# KiCad board NF-Grundplatte.kicad_pcb (continued)
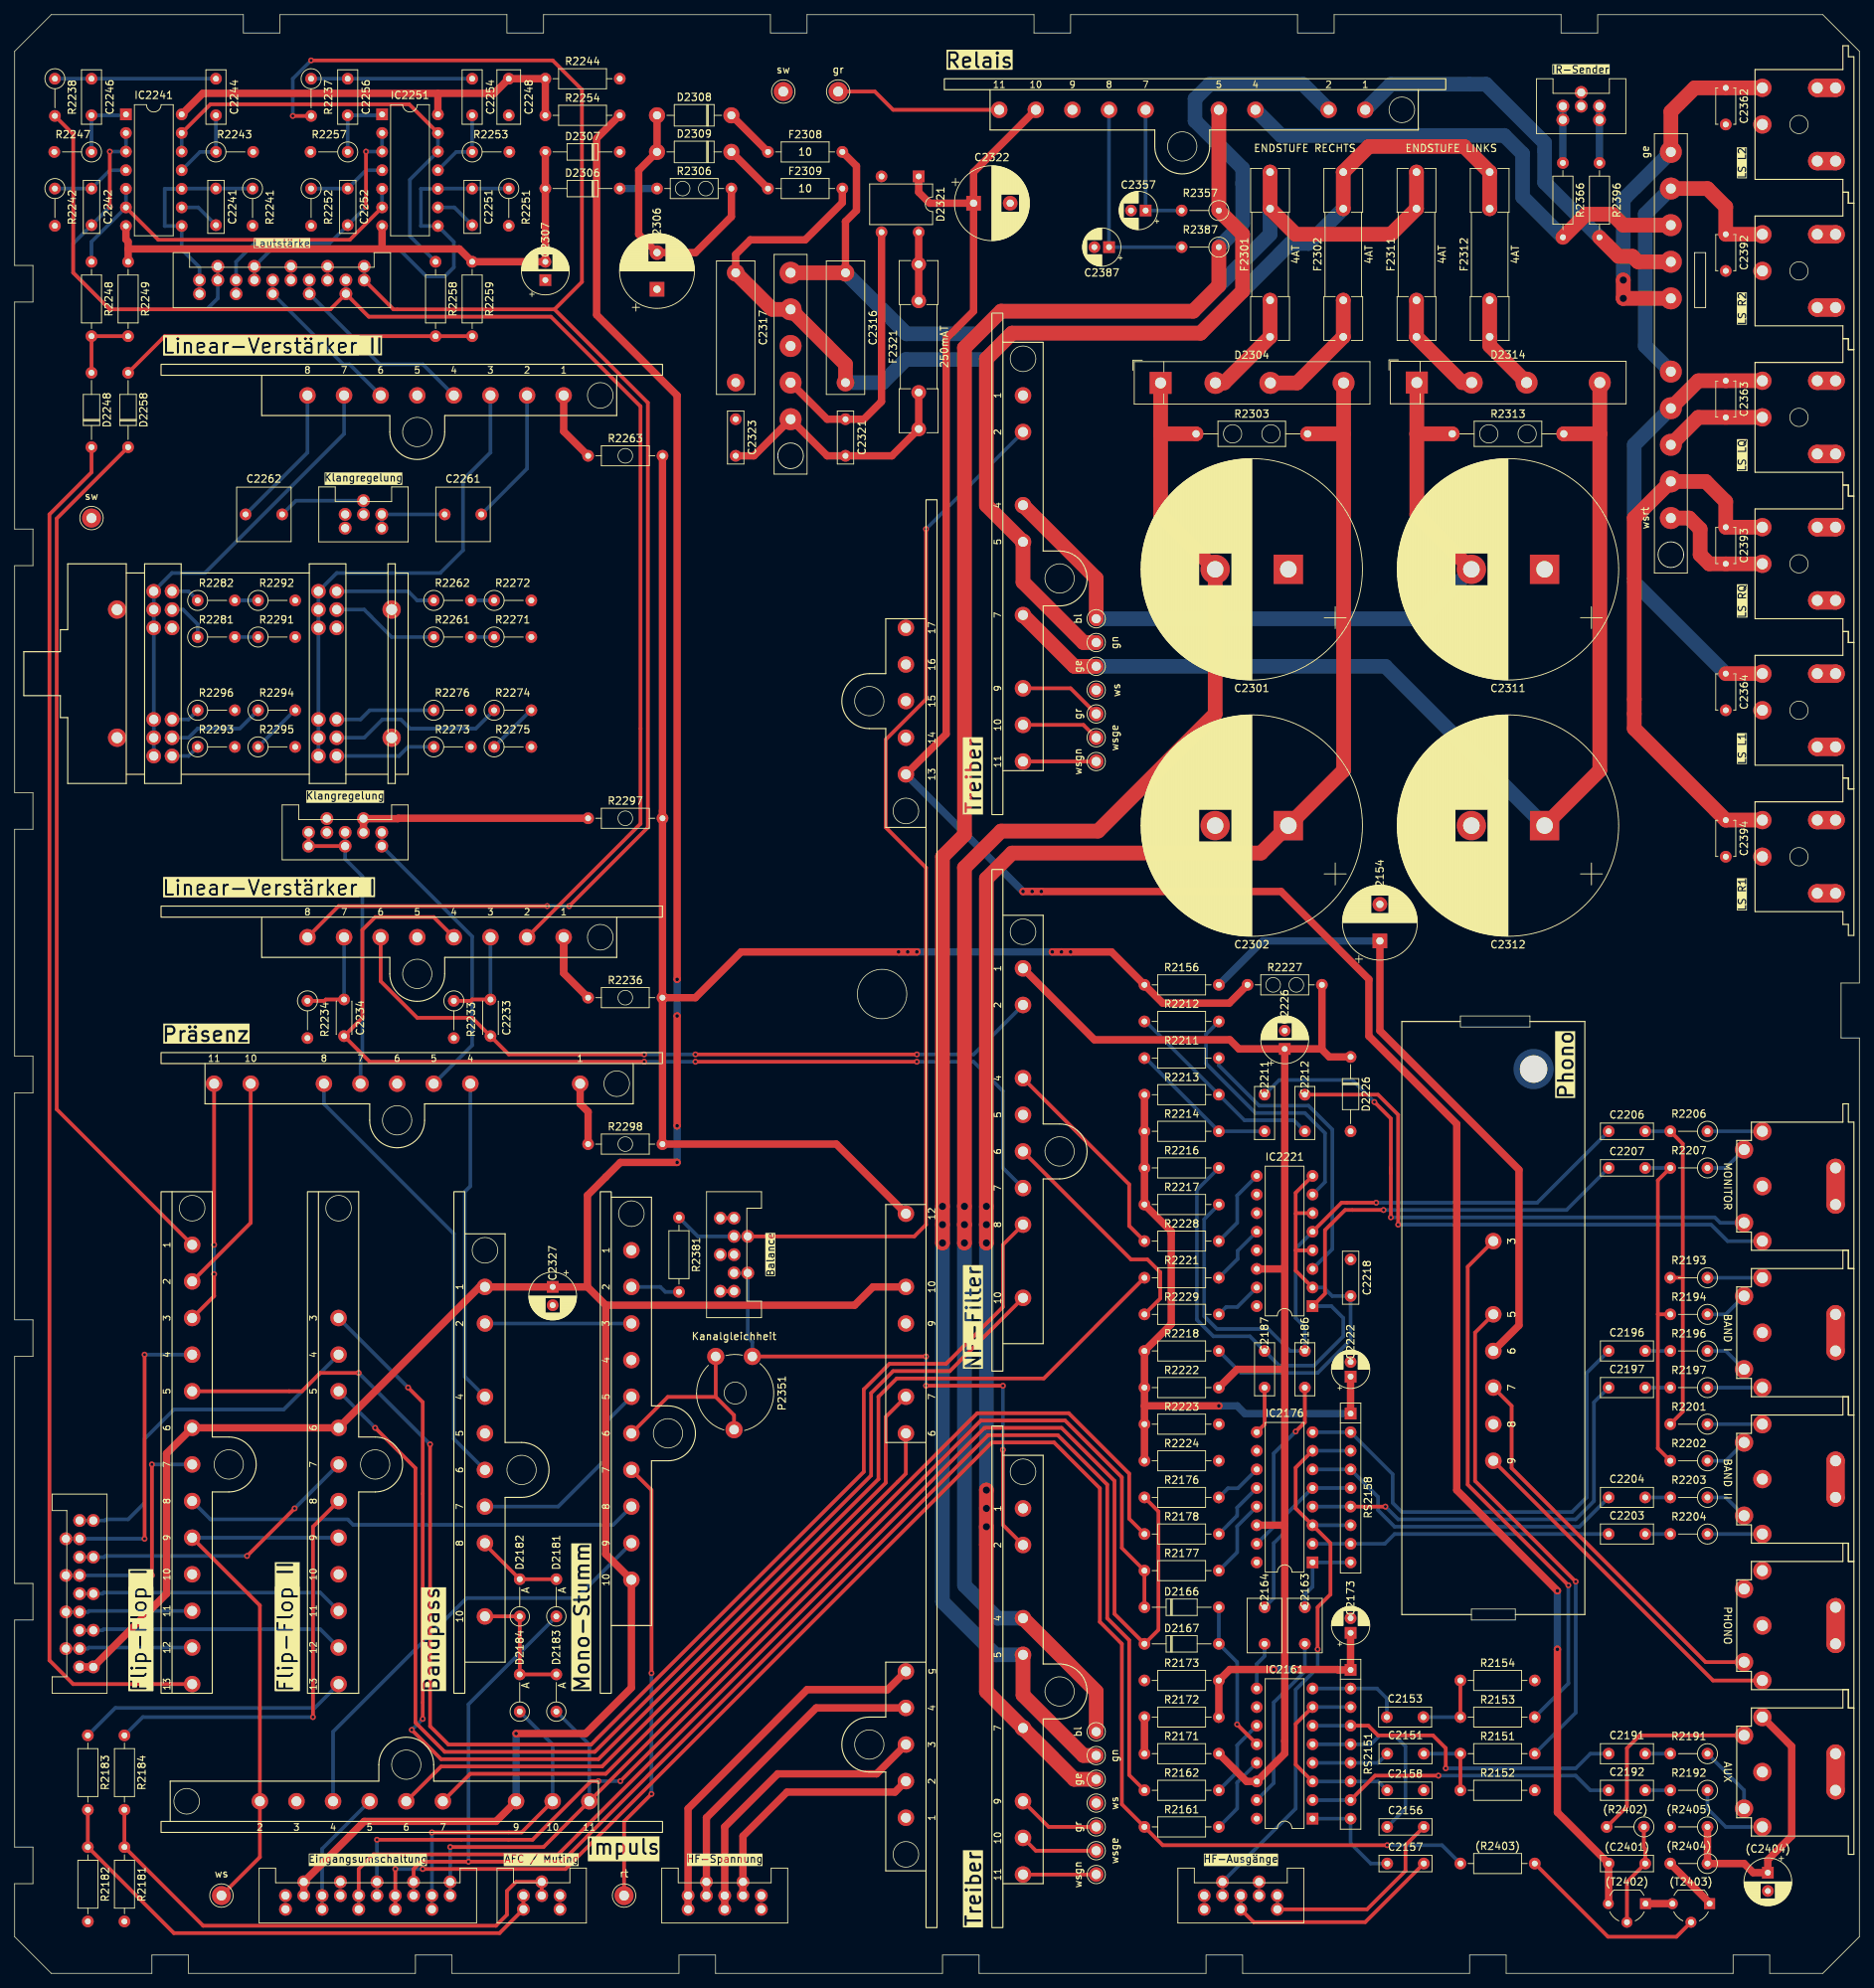
[diagram p0: board, top side]
## Placement (name value [footprint] x y rotation side) (continued)
R2313  22k  [R_Axial_DIN0309_L9.0mm_D3.2mm_P15.24mm_Horizontal]  211.62 210.25 180 top
R2357  22k  [R_Axial_DIN0207_L6.3mm_D2.5mm_P5.08mm_Vertical]  164.5 240.75 180 top
R2366  10k  [R_Axial_DIN0207_L6.3mm_D2.5mm_P10.16mm_Horizontal]  211.5 237.09 90 top
R2381  8.2k  [R_Axial_DIN0207_L6.3mm_D2.5mm_P10.16mm_Horizontal]  90.75 93.07 90 top
R2387  22k  [R_Axial_DIN0207_L6.3mm_D2.5mm_P5.08mm_Vertical]  164.5 235.75 180 top
R2396  10k  [R_Axial_DIN0207_L6.3mm_D2.5mm_P10.16mm_Horizontal]  216.5 237.09 90 top
R2402  10k  [R_Axial_DIN0207_L6.3mm_D2.5mm_P5.08mm_Vertical]  222.56 20 180 top
R2403  10k  [R_Axial_DIN0207_L6.3mm_D2.5mm_P10.16mm_Horizontal]  207.66 15 180 top
R2404  100  [R_Axial_DIN0207_L6.3mm_D2.5mm_P5.08mm_Vertical]  231.25 15 180 top
R2405  10k  [R_Axial_DIN0207_L6.3mm_D2.5mm_P5.08mm_Vertical]  231.25 20 180 top
RS2151  470k  [R_Array_SIP9]  182.5 41.44 270 top
RS2158  470k  [R_Array_SIP9]  182.5 76.44 270 top
ST16  HF-Grundplatte  [STOCKO-MKS-1655_1755]  172.5 10.62 180 top
SW1  ~  [SW_DIP_02_02_05]  6.25 191.25 0 top
T2402  BC557  [TO-92_Wide]  222.79 9.52 180 top
T2403  BC557  [TO-92_Wide]  231.54 9.52 180 top

## Library data of the parts
C2151 C2153 C2156-C2158 C2163 C2164 C2186 C2187 C2191 C2192 C2196 C2197 C2203 C2204 C2206 C2207 C2211 C2212 C2218 C2233 C2234 C2241 C2242 C2244 C2246 C2248 C2251 C2252 C2254 C2256 C2316 C2317 C2321 C2323 C2401 = -: Description: Unpolarized capacitor
C2154 C2173 C2222 C2226 C2261 C2262 C2301 C2302 C2306 C2307 C2311 C2312 C2322 C2327 C2357 C2387 C2404 = -: Description: Polarized capacitor
C2362-C2364 C2392-C2394 = -: Description: Unpolarized capacitor, small symbol
D2166 D2167 D2306 = -: Description: Diode; Sim.Device: D; Sim.Pins: 1=K 2=A; Field7: K
D2181-D2184 D2308 D2309 = -: Description: Diode; Sim.Device: D; Sim.Pins: 1=K 2=A
D2226 D2248 D2258 D2307 = -: Description: 500mW Zener Diode, DO-35; Field5: K
D2304 D2314 = -: Description: Silicon Bridge Rectifier, 80V Vrms, 3.3A If, pins=-AA+, SIL-package
D2321 = -: Description: Glass Passivated Single-Phase Bridge Rectifier, 125V Vrms, 0.8A If, DIP-4
F2301 F2302 F2308 F2309 F2311 F2312 F2321 = -: Description: Fuse
IC2241 IC2251 = -: Description: Quad Analog Switches
J9 J24 = -: Description: Generic connector, single row, 01x11, script generated (kicad-library-utils/schlib/autogen/connector/)
J13-J15 = -: Description: Generic connector, single row, 01x03, script generated (kicad-library-utils/schlib/autogen/connector/)
J16 J22 = -: Description: Generic connector, single row, 01x10, script generated (kicad-library-utils/schlib/autogen/connector/)
J17 J19 J20 J23 ST16 = -: Description: Generic connector, single row, 01x05, script generated (kicad-library-utils/schlib/autogen/connector/)
J18 J32-J49 = -: Description: Generic connector, single row, 01x01, script generated (kicad-library-utils/schlib/autogen/connector/)
J21 = -: Description: Generic connector, single row, 01x09, script generated (kicad-library-utils/schlib/autogen/connector/)
J31 = -: Description: Generic connector, single row, 01x17, script generated (kicad-library-utils/schlib/autogen/connector/)
LS1-LS6 = -: Description: Speaker
P2351 = -: Description: Potentiometer
R2151-R2154 R2156 R2161 R2162 R2171-R2173 R2176-R2178 R2181-R2184 R2191-R2194 R2196 R2197 R2201-R2204 R2206 R2207 R2211-R2214 R2216-R2218 R2221-R2224 R2227-R2229 R2233 R2234 R2236-R2238 R2241-R2244 R2247-R2249 R2251-R2254 R2257-R2259 R2261-R2263 R2271-R2276 R2281 R2282 R2291-R2298 R2303 R2306 R2313 R2357 R2366 R2381 R2387 R2396 R2402-R2405 = -: Description: Resistor
RS2151 RS2158 = -: Description: 8 resistor network, star topology, bussed resistors, small symbol
T2402 T2403 = -: Description: 0.1A Ic, 45V Vce, PNP Small Signal Transistor, TO-92

## Footprints (pads in the part's own frame, mm; a bottom-side part is the same pattern mirrored in y, then rotated)
Bandpass
  round 2.25 hole 1.35: 1(55.5,-4.25) 2(50.5,-4.25) 4(40.5,-4.25) 5(35.5,-4.25) 6(30.5,-4.25) 7(25.5,-4.25) 8(20.5,-4.25) 10(10.5,-4.25)
C_Disc_D4.3mm_W1.9mm_P5.00mm
  round 1.6 hole 0.8: 1(0,0) 2(5,0)
C_Disc_D4.7mm_W2.5mm_P5.00mm
  round 1.6 hole 0.8: 1(0,0) 2(5,0)
C_Rect_L7.0mm_W2.0mm_P5.00mm
  round 1.6 hole 0.8: 1(0,0) 2(5,0)
C_Rect_L7.0mm_W2.5mm_P5.00mm
  round 1.6 hole 0.8: 1(0,0) 2(5,0)
C_Rect_L7.2mm_W2.5mm_P5.00mm_FKS2_FKP2_MKS2_MKP2
  round 1.6 hole 0.8: 1(0,0) 2(5,0)
C_Rect_L7.2mm_W3.0mm_P5.00mm_FKS2_FKP2_MKS2_MKP2
  round 1.6 hole 0.8: 1(0,0) 2(5,0)
C_Rect_L7.2mm_W4.5mm_P5.00mm_FKS2_FKP2_MKS2_MKP2
  round 1.6 hole 0.8: 1(0,0) 2(5,0)
C_Rect_L7.2mm_W7.2mm_P5.00mm_FKS2_FKP2_MKS2_MKP2
  round 1.6 hole 0.8: 1(0,0) 2(5,0)
C_Rect_L18.0mm_W5.0mm_P15.00mm_FKS3_FKP3
  round 2.4 hole 1.2: 1(0,0) 2(15,0)
Conn_01x05_5mm
  round 3 hole 1.35: 1(0,0) 2(5,0) 3(10,0) 4(15,0) 5(20,0)
Conn_01x11_5mm
  round 3 hole 1.35: 1(0,0) 2(5,0) 3(10,0) 4(15,0) 5(20,0) 7(30,0) 8(35,0) 9(40,0) 10(45,0) 11(50,0)
CP_Radial_D5.0mm_P2.00mm
  rect 1.6x1.6 hole 0.8: 1(0,0)
  round 1.6 hole 0.8: 2(2,0)
CP_Radial_D6.3mm_P2.50mm
  rect 1.6x1.6 hole 0.8: 1(0,0)
  round 1.6 hole 0.8: 2(2.5,0)
CP_Radial_D10.0mm_P5.00mm
  rect 2x2 hole 1: 1(0,0)
  round 2 hole 1: 2(5,0)
CP_Radial_D30.0mm_P10.00mm_SnapIn
  rect 4x4 hole 2.25: 1(0,0)
  round 4 hole 2.25: 2(10,0)
D_DO-35_SOD27_P5.08mm_Vertical_AnodeUp
  round 1.6 hole 0.8: 1(0,0)
  oval 1.6x1.6 hole 0.8: 2(5.08,0)
D_DO-35_SOD27_P10.16mm_Horizontal
  round 1.6 hole 0.8: 1(0,0)
  oval 1.6x1.6 hole 0.8: 2(10.16,0)
D_DO-41_SOD81_P10.16mm_Horizontal
  round 2.2 hole 1.1: 1(0,0)
  oval 2.2x2.2 hole 1.1: 2(10.16,0)
Diode_Bridge_32.0x5.6x17.0mm_P10.0mm_P7.5mm
  rect 3x3 hole 1.5: 1(0,0)
  round 3 hole 1.5: 2(7.5,0) 3(15,0) 4(25,0)
Diode_Bridge_DIP-4_W7.62mm_P5.08mm
  rect 1.6x1.6 hole 0.8: 1(0,0)
  oval 1.6x1.6 hole 0.8: 2(0,-5.08) 3(7.62,-5.08) 4(7.62,0)
DIP-14_W7.62mm
  rect 1.6x1.6 hole 0.8: 1(0,0)
  oval 1.6x1.6 hole 0.8: 2(0,-2.54) 3(0,-5.08) 4(0,-7.62) 5(0,-10.16) 6(0,-12.7) 7(0,-15.24) 8(7.62,-15.24) 9(7.62,-12.7) 10(7.62,-10.16) 11(7.62,-7.62) 12(7.62,-5.08) 13(7.62,-2.54) 14(7.62,0)
DIP-16_W7.62mm
  rect 1.6x1.6 hole 0.8: 1(0,0)
  oval 1.6x1.6 hole 0.8: 2(0,-2.54) 3(0,-5.08) 4(0,-7.62) 5(0,-10.16) 6(0,-12.7) 7(0,-15.24) 8(0,-17.78) 9(7.62,-17.78) 10(7.62,-15.24) 11(7.62,-12.7) 12(7.62,-10.16) 13(7.62,-7.62) 14(7.62,-5.08) 15(7.62,-2.54) 16(7.62,0)
Flip-Flop
  round 2.25 hole 1.35: 1(61.25,-4.25) 2(56.25,-4.25) 3(51.25,-4.25) 4(46.25,-4.25) 5(41.25,-4.25) 6(36.25,-4.25) 7(31.25,-4.25) 8(26.25,-4.25) 9(21.25,-4.25) 10(16.25,-4.25) 11(11.25,-4.25) 12(6.25,-4.25) 13(1.25,-4.25)
Flip-Flop#2
  round 2.25 hole 1.35: 3(51.25,-4.25) 4(46.25,-4.25) 5(41.25,-4.25) 6(36.25,-4.25) 7(31.25,-4.25) 8(26.25,-4.25) 9(21.25,-4.25) 10(16.25,-4.25) 11(11.25,-4.25) 12(6.25,-4.25) 13(1.25,-4.25)
Fuseholder_Clip-5x20mm
  round 2 hole 1.05: 1(-1.25,0) 1(3.75,0) 2(16.25,0) 2(21.25,0)
Impuls
  round 2.25 hole 1.35: 2(55,-4.25) 3(50,-4.25) 4(45,-4.25) 5(40,-4.25) 6(35,-4.25) 7(30,-4.25) 9(20,-4.25) 10(15,-4.25) 11(10,-4.25)
Linear-Verstärker
  round 2.25 hole 1.35: 1(55,-4.25) 2(50,-4.25) 3(45,-4.25) 4(40,-4.25) 5(35,-4.25) 6(30,-4.25) 7(25,-4.25) 8(20,-4.25)
Mono-Stumm
  round 2.25 hole 1.35: 1(60.5,-4.25) 2(55.5,-4.25) 3(50.5,-4.25) 4(45.5,-4.25) 5(40.5,-4.25) 6(35.5,-4.25) 7(30.5,-4.25) 8(25.5,-4.25) 9(20.5,-4.25) 10(15.5,-4.25)
Netzteil
  round 2.25 hole 1.35: 1(180,-4.25) 2(175,-4.25) 3(170,-4.25) 4(165,-4.25) 5(160,-4.25) 6(127.5,-4.25) 7(122.5,-4.25) 9(112.5,-4.25) 10(107.5,-4.25) 12(97.5,-4.25) 13(37.5,-4.25) 14(32.5,-4.25) 15(27.5,-4.25) 16(22.5,-4.25) 17(17.5,-4.25)
NF-Filter
  round 2.25 hole 1.35: 1(55,-4.25) 2(50,-4.25) 4(40,-4.25) 5(35,-4.25) 6(30,-4.25) 7(25,-4.25) 8(20,-4.25) 10(10,-4.25)
Phono
  round 2.25 hole 1.35: 3(30,-12.5) 5(40,-12.5) 6(45,-12.5) 7(50,-12.5) 8(55,-12.5) 9(60,-12.5)
  round 5.5 hole 3.75: 16(6.5,-7)
Pin_D1.0mm_L10.0mm
  round 2 hole 1.25: 1(0,0)
Pin_D1.3mm_L11.0mm
  round 2.6 hole 1.35: 1(0,0)
Potentiometer_Piher_PT-10-V10_Vertical
  round 2.34 hole 1.3: 1(0,0) 2(10,2.5) 3(0,5)
Präsenz
  round 2.25 hole 1.35: 1(57.25,-4.25) 4(42.25,-4.25) 5(37.25,-4.25) 6(32.25,-4.25) 7(27.25,-4.25) 8(22.25,-4.25) 10(12.25,-4.25) 11(7.25,-4.25)
R_Array_SIP9
  rect 1.6x1.6 hole 0.8: 1(0,0)
  oval 1.6x1.6 hole 0.8: 2(2.54,0) 3(5.08,0) 4(7.62,0) 5(10.16,0) 6(12.7,0) 7(15.24,0) 8(17.78,0) 9(20.32,0)
R_Axial_DIN0207_L6.3mm_D2.5mm_P5.08mm_Vertical
  round 1.6 hole 0.8: 1(0,0)
  oval 1.6x1.6 hole 0.8: 2(5.08,0)
R_Axial_DIN0207_L6.3mm_D2.5mm_P10.16mm_Horizontal
  round 1.6 hole 0.8: 1(0,0)
  oval 1.6x1.6 hole 0.8: 2(10.16,0)
R_Axial_DIN0309_L9.0mm_D3.2mm_P15.24mm_Horizontal
  round 2 hole 1: 1(0,0) 2(15.24,0)
Relais
  round 2.25 hole 1.35: 1(57.5,-4.25) 2(52.5,-4.25) 4(42.5,-4.25) 5(37.5,-4.25) 7(27.5,-4.25) 8(22.5,-4.25) 9(17.5,-4.25) 10(12.5,-4.25) 11(7.5,-4.25)
Source_DIN-41524
  round 2.5 hole 1.5: 1(-2.5,0) 2(5,0) 3(12.5,0) 4(10,-2.5) 5(0,-2.5) 6(2.5,10) 6(7.5,10)
Speaker_DIN-41529_730311
  round 2.5 hole 1.5: 1(0,0) 2(5,0) 3(0,10) 3(0,7.5) 3(10,10) 3(10,7.5)
STOCKO-MKS-1653_1753
  round 1.75 hole 1.1: 1(0,1.875) 1(0,0) 2(2.5,0) 2(2.5,-1.875) 3(5,1.875) 3(5,0)
STOCKO-MKS-1655_1755
  round 1.75 hole 1.1: 1(0,1.875) 1(0,0) 2(2.5,0) 2(2.5,-1.875) 3(5,1.875) 3(5,0) 4(7.5,0) 4(7.5,-1.875) 5(10,1.875) 5(10,0)
STOCKO-MKS-1659_1759
  round 1.75 hole 1.1: 1(0,1.875) 1(0,0) 2(2.5,0) 2(2.5,-1.875) 3(5,1.875) 3(5,0) 4(7.5,0) 4(7.5,-1.875) 5(10,1.875) 5(10,0) 6(12.5,0) 6(12.5,-1.875) 7(15,1.875) 7(15,0) 8(17.5,0) 8(17.5,-1.875) 9(20,1.875) 9(20,0)
STOCKO-MKS-1660_1760
  round 1.75 hole 1.1: 1(0,0) 1(0,-1.875) 2(2.5,1.875) 2(2.5,0) 3(5,0) 3(5,-1.875) 4(7.5,1.875) 4(7.5,0) 5(10,0) 5(10,-1.875) 6(12.5,1.875) 6(12.5,0) 7(15,0) 7(15,-1.875) 8(17.5,1.875) 8(17.5,0) 9(20,0) 9(20,-1.875) 10(22.5,1.875) 10(22.5,0)
SW_DIP_02_02_05
  round 2.5 hole 1.5: (7.75,-5) (7.75,-22.5) (45.25,-5) (45.25,-22.5)
  round 2 hole 1.25: (15.25,-7.5) (37.75,-7.5) 1(35.25,-5) 1(35.25,-7.5) 2(35.25,-2.5) 3(35.25,-25) 4(35.25,-22.5) 5(35.25,-20) 6(37.75,-5) 7(37.75,-2.5) 8(37.75,-25) 9(37.75,-22.5) 10(37.75,-20) 11(12.75,-5) 11(12.75,-7.5) 12(12.75,-2.5) 13(12.75,-25) 14(12.75,-22.5) 15(12.75,-20) 16(15.25,-5) 17(15.25,-2.5) 18(15.25,-25) 19(15.25,-22.5) 20(15.25,-20)
TO-92_Wide
  rect 1.5x1.5 hole 0.8: 1(0,0)
  round 1.5 hole 0.8: 2(2.54,2.54) 3(5.08,0)
Treiber
  round 2.25 hole 1.35: 1(57.25,-4.25) 2(52.25,-4.25) 4(42.25,-4.25) 5(37.25,-4.25) 7(27.25,-4.25) 9(17.25,-4.25) 10(12.25,-4.25) 11(7.25,-4.25)

## Nets
+6V: C2248.1 IC2241.14 IC2251.14 R2244.1 R2254.2
+12V: C2327.1 J3.6 J9.9 J10.10 J11.1 J12.6 J16.9 J21.9 J31.10 R2254.1
+12V-AUX: C2404.1 J30.1 R2404.1 R2405.1
+12V-AUX-EN: J30.5 R2402.2
+12V-R: C2322.1 C2401.1 D2321.1 J6.10 J31.13 T2402.3
+15V: J17.3 J31.3
+15V-AM: J17.4 J31.4
+15V-FM: J17.5 J31.5
+22V: C2226.1 D2226.1 IC2161.14 IC2176.14 IC2221.14 J5.1 R2171.2 R2222.1 R2227.2
+42V-1: C2302.1 D2304.4 J4.7 J44.1 R2303.1
+42V-2: C2312.1 D2314.4 J2.7 J38.1 R2313.1
+45V: J31.12 R2156.1 R2227.1 R2236.1 R2263.1 R2297.1 R2298.1
+45V-I: J17.2 J31.2
-8.2V: C2307.2 D2306.2 D2307.2 IC2241.7 IC2251.7 R2249.1 R2259.1
-42V-1: C2301.2 D2304.1 J4.4 J46.1 R2303.2
-42V-2: C2311.2 D2314.1 J2.4 J39.1 R2313.2
GND: C2154.2 C2158.2 C2173.2 C2218.2 C2222.2 C2226.2 C2248.2 C2301.1 C2302.2 C2306.1 C2307.1 C2311.1 C2312.2 C2317.2 C2322.2 C2323.2 C2327.2 C2357.2 C2362.2 C2364.2 C2387.2 C2392.2 C2394.2 C2404.2 D2226.2 D2307.1 D2321.2 IC2161.16 IC2176.16 IC2221.16 J1.5 J2.1 J3.10 J4.1 J5.5 J6.9 J7.5 J8.6 J9.3 J10.1 J10.4 J11.5 J12.10 J13.3 J14.2 J15.1 J16.7 J16.10 J17.1 J19.3 J20.4 J22.3 J22.5 J23.3 J25.8 J25.16 J26.2 J27.2 J28.2 J29.2 J30.2 J31.1 J31.9 J31.14 J37.1 J45.1 J48.1 J49.1 LS1.2 LS2.2 LS5.2 LS6.2 R2152.2 R2154.2 R2173.2 R2181.2 R2182.2 R2223.2 R2224.2 R2233.2 R2234.2 R2241.2 R2242.2 R2243.2 R2244.2 R2247.2 R2251.2 R2252.2 R2253.2 R2257.2 R2271.2 R2272.2 R2273.2 R2275.2 R2276.2 R2291.2 R2292.2 R2293.2 R2295.2 R2296.2 R2405.2 ST16.2 ST16.5
AM: IC2176.3 IC2176.7 RS2158.3 RS2158.7 ST16.4
AUX-L: C2192.2 IC2161.2 RS2151.8
AUX-R: C2191.2 IC2161.6 RS2151.4
BAND1-L: C2197.2 IC2176.4 RS2158.6
BAND1-R: C2196.2 IC2176.8 RS2158.2
BAND2-L: C2203.2 IC2176.2 RS2158.8
BAND2-R: C2204.2 IC2176.6 RS2158.4
D-L: C2357.1 J6.7 R2357.2
D-R: C2387.1 J6.8 R2387.2
FF1-NQ1: J3.8 J10.8
FF1-NQ2: D2248.1 J3.13
FF1-NQ3: J3.2 J8.10
FF1-Q2: D2258.1 J3.1
FF1-Q3: J3.3 J8.11
FF1-Q4: J3.5 J5.8
FF2-NQ1: J12.8 R2184.1
FF2-NQ2: J12.13 R2183.1
FF2-Q3: J12.3 R2221.2
FF2-Q4: J5.10 J12.5
FM-L: C2157.1 IC2161.1 RS2151.9
FM-R: C2156.1 IC2161.5 RS2151.5
IC2161-NC: C2158.1 IC2161.3 IC2161.7 RS2151.3 RS2151.7
IC2161-O1: C2163.2 IC2176.1 RS2158.9
IC2161-O2: C2164.2 IC2176.5 RS2158.5
IMPULS: J9.5 J16.8
IN-L: J5.4 R2228.2
IN-R: J5.6 R2229.2
L-LEVEL: J1.7 SW1.11 SW1.12 SW1.13 SW1.14 SW1.15
LOUDNESS-SW1: IC2241.5 IC2241.6 IC2251.5 IC2251.6 R2248.1
LOUDNESS-SW2: IC2241.12 IC2241.13 IC2251.12 IC2251.13 R2258.1
LS-OUT-L: J2.5 J6.5 J33.1 R2357.1
LS-OUT-R: J4.5 J6.2 J43.1 R2387.1
LS-ST-1: C2393.2 J24.1 LS4.2
LS-ST-2: C2393.1 C2394.1 J24.2 LS4.1 LS6.1
LS-ST-3: C2363.2 J24.3 LS3.2
LS-ST-4: C2363.1 C2364.1 J24.4 LS3.1 LS5.1
LS-ST-8: J6.1 J24.8 R2396.1
LS-ST-9: J6.4 J24.9 R2366.1
LS-ST-10: C2392.1 J24.5 J24.10 LS2.1
LS-ST-11: C2362.1 J24.7 J24.11 LS1.1
LVI-L-OUT: J7.8 J22.1 R2237.2
LVI-R-OUT: J7.2 J22.2 R2238.2
LVII-L-IN: J1.6 J22.6
LVII-L-OUT: C2262.2 J1.8
LVII-R-IN: J1.4 J22.4
LVII-R-OUT: C2261.2 J1.2
MONITOR-L: IC2221.7 R2212.2
MONITOR-OUT-L: C2186.2 C2206.2 IC2221.5 R2217.2
MONITOR-OUT-R: C2187.2 C2207.2 IC2221.1 R2216.2
MONITOR-R: IC2221.3 R2211.2
MUTING: J9.4 J10.9
OUT-L: C2206.1 R2193.2 R2201.2 R2206.2
OUT-R: C2207.1 R2194.2 R2202.2 R2207.2
PHONO-L: C2151.1 IC2161.4 RS2151.6
PHONO-R: C2153.1 IC2161.8 RS2151.2
R-LEVEL: J1.3 SW1.1 SW1.2 SW1.3 SW1.4 SW1.5
SET: J3.9 J9.2 J12.9 J47.1
SW-AFC: J12.12 J21.7
SW-AM: D2183.1 J9.11 J16.1 R2178.2
SW-AUX: J16.4 R2161.2 R2403.2
SW-BAND1: D2166.1 J16.5 R2177.2
SW-BAND2: D2167.1 J16.6 R2176.2
SW-FM: D2184.1 J9.10 J16.2
SW-LOUDNESS: J3.12 J21.8
SW-MONITOR: J12.4 J21.1
SW-MONO: J3.11 J21.6
SW-MUTING: J12.11 J21.5
SW-NOISE: J12.7 J21.3
SW-PHONO: D2181.1 J16.3 R2162.2
SW-PRESENCE: J3.4 J21.2
SW-PWR-AM: J9.7 J31.6
SW-PWR-FM: J9.6 J31.7
SW-RUMBLE: J3.7 J21.4
TREIBER-L-IN: J2.2 J19.4 R2381.2
TREIBER-R-IN: J4.2 J19.2 P2351.3
VOLUME-L1: C2251.2 IC2251.8 IC2251.10 J22.7 R2251.1
VOLUME-L2: C2252.1 IC2251.2 IC2251.3 J22.8
VOLUME-R1: C2241.2 IC2241.8 IC2241.10 J22.10 R2241.1
VOLUME-R2: C2242.1 IC2241.2 IC2241.3 J22.9
~10V-1: C2321.2 D2321.3 J23.2
~10V-2: C2321.1 C2323.1 F2321.2 J23.1
~30V-1: C2316.2 F2301.1 F2308.1 F2311.1 J23.5
~30V-2: C2316.1 C2317.1 F2302.2 F2309.1 F2312.2 J23.4
Net-(C2151-Pad2): C2151.2 R2151.2 R2152.1
Net-(C2153-Pad2): C2153.2 R2153.2 R2154.1
Net-(C2191-Pad1): C2191.1 R2191.2
Net-(C2192-Pad1): C2192.1 R2192.2
Net-(C2196-Pad1): C2196.1 R2196.2
Net-(C2197-Pad1): C2197.1 R2197.2
Net-(C2203-Pad1): C2203.1 R2204.2
Net-(C2204-Pad1): C2204.1 R2203.2
Net-(C2211-Pad1): C2211.1 J26.4
Net-(C2211-Pad2): C2211.2 R2211.1 R2214.2
Net-(C2212-Pad1): C2212.1 J26.3
Net-(C2212-Pad2): C2212.2 R2212.1 R2213.2
Net-(C2241-Pad1): C2241.1 IC2241.9
Net-(C2242-Pad2): C2242.2 IC2241.4 R2242.1
Net-(C2244-Pad1): C2244.1 C2246.1 R2238.1
Net-(C2244-Pad2): C2244.2 IC2241.11 R2243.1
Net-(C2246-Pad2): C2246.2 IC2241.1 R2247.1
Net-(C2251-Pad1): C2251.1 IC2251.9
Net-(C2252-Pad2): C2252.2 IC2251.4 R2252.1
Net-(C2254-Pad1): C2254.1 C2256.1 R2237.1
Net-(C2254-Pad2): C2254.2 IC2251.11 R2253.1
Net-(C2256-Pad2): C2256.2 IC2251.1 R2257.1
Net-(D2166-A): D2166.2 D2167.2 IC2161.12
Net-(D2181-A): D2181.2 D2182.2 J11.8
Net-(D2182-K): D2182.1 D2183.2 D2184.2 J11.10
Net-(D2248-A): D2248.2 R2248.2 R2249.2
Net-(D2258-A): D2258.2 R2258.2 R2259.2
Net-(D2304-Pad2): D2304.2 F2301.2
Net-(D2304-Pad3): D2304.3 F2302.1
Net-(D2306-K): D2306.1 R2306.2
Net-(D2308-A): C2306.2 D2308.2 D2309.2 R2306.1
Net-(D2308-K): D2308.1 F2308.2
Net-(D2309-K): D2309.1 F2309.2
Net-(D2314-Pad2): D2314.2 F2311.2
Net-(D2314-Pad3): D2314.3 F2312.1
Net-(D2321-Pad4): D2321.4 F2321.1
Net-(IC2161-O-1): C2163.1 IC2161.15
Net-(IC2161-O-2): C2164.1 IC2161.9
Net-(IC2161-S2): IC2161.13 R2161.1
Net-(IC2161-S4): IC2161.11 R2162.1
Net-(IC2176-O-1): C2186.1 IC2176.15
Net-(IC2176-O-2): C2187.1 IC2176.9
Net-(IC2176-S2): IC2176.13 R2177.1
Net-(IC2176-S3): IC2176.12 R2178.1
Net-(IC2176-S4): IC2176.11 R2176.1
Net-(IC2221-I-2): C2218.1 IC2221.2 IC2221.4 IC2221.6 IC2221.8 R2218.2
Net-(IC2221-O-1): IC2221.15 R2229.1
Net-(IC2221-O-2): IC2221.9 R2228.1
Net-(IC2221-S3): IC2221.12 R2221.1
Net-(J1-+35V-Pad1): J1.1 R2263.2
Net-(J5-L-OUT): C2233.1 J5.2 J7.6
Net-(J7-+35V-Pad1): J7.1 R2236.2
Net-(J7-L-LEVEL): C2234.2 J7.7 R2234.1
Net-(J7-R-IN): C2234.1 J5.7 J7.4
Net-(J7-R-LEVEL): C2233.2 J7.3 R2233.1
Net-(J8-+23V-Pad1): J8.1 R2298.2
Net-(J10-L-IN): J10.3 J11.2
Net-(J10-L-OUT): J10.6 P2351.1 P2351.2
Net-(J10-R-IN): J10.5 J11.7
Net-(J10-R-OUT): J10.2 R2381.1
Net-(J11-L-IN): J8.4 J11.4
Net-(J11-R-IN): J8.8 J11.6
Net-(J13-Pin_1): C2261.1 J13.1
Net-(J13-Pin_2): C2262.1 J13.2
Net-(J14-Pin_1): J14.1 R2396.2
Net-(J14-Pin_3): J14.3 R2366.2
Net-(J15-Pin_2): J15.2 R2181.1 R2184.2
Net-(J15-Pin_3): J15.3 R2182.1 R2183.2
Net-(J18-Pin_1): J6.11 J18.1
Net-(J20-Pin_1): J8.5 J20.1
Net-(J20-Pin_2): J20.2 R2297.2
Net-(J20-Pin_3): J8.7 J20.3 J20.5
Net-(J25-IN-L): J25.9 J29.3
Net-(J25-IN-R): J25.7 J29.4
Net-(J25-OUT-L): J25.5 R2151.1
Net-(J25-OUT-R): J25.3 R2153.1
Net-(J25-VCC): C2154.1 J25.6 R2156.2
Net-(J26-Pad1): J26.1 R2206.1
Net-(J26-Pad5): J26.5 R2207.1
Net-(J27-Pad1): J27.1 R2193.1
Net-(J27-Pad3): J27.3 R2197.1
Net-(J27-Pad4): J27.4 R2196.1
Net-(J27-Pad5): J27.5 R2194.1
Net-(J28-Pad1): J28.1 R2201.1
Net-(J28-Pad3): J28.3 R2204.1
Net-(J28-Pad4): J28.4 R2203.1
Net-(J28-Pad5): J28.5 R2202.1
Net-(J30-Pad3): J30.3 R2192.1
Net-(J30-Pad4): J30.4 R2191.1
Net-(J32-Pin_1): J10.7 J32.1
Net-(J34-Pin_1): J2.11 J34.1
Net-(J35-Pin_1): J2.9 J35.1
Net-(J36-Pin_1): J2.10 J36.1
Net-(J40-Pin_1): J4.11 J40.1
Net-(J41-Pin_1): J4.9 J41.1
Net-(J42-Pin_1): J4.10 J42.1
Net-(R2171-Pad1): R2171.1 R2172.1
Net-(R2261-Pad1): R2261.1 SW1.6
Net-(R2261-Pad2): R2261.2 R2271.1
Net-(R2262-Pad1): R2262.1 SW1.7
Net-(R2262-Pad2): R2262.2 R2272.1
Net-(R2273-Pad1): R2273.1 SW1.8
Net-(R2274-Pad1): R2274.1 SW1.9
Net-(R2274-Pad2): R2274.2 R2275.1
Net-(R2276-Pad1): R2276.1 SW1.10
Net-(R2281-Pad1): R2281.1 SW1.16
Net-(R2281-Pad2): R2281.2 R2291.1
Net-(R2282-Pad1): R2282.1 SW1.17
Net-(R2282-Pad2): R2282.2 R2292.1
Net-(R2293-Pad1): R2293.1 SW1.18
Net-(R2294-Pad1): R2294.1 SW1.19
Net-(R2294-Pad2): R2294.2 R2295.1
Net-(R2296-Pad1): R2296.1 SW1.20
Net-(RS2151-common): C2173.1 R2172.2 R2173.1 RS2151.1
Net-(RS2158-common): C2222.1 R2213.1 R2214.1 R2216.1 R2217.1 R2218.1 R2222.2 R2223.1 R2224.1 RS2158.1
Net-(ST16-Pin_1): C2156.2 ST16.1
Net-(ST16-Pin_3): C2157.2 ST16.3
Net-(T2402-B): C2401.2 R2402.1 T2402.2
Net-(T2402-C): T2402.1 T2403.3
Net-(T2403-B): R2403.1 T2403.2
Net-(T2403-C): R2404.2 T2403.1

Pads without a net: IC2161 10; IC2176 10; IC2221 10 11 13; J19 1 5; J26 6; J27 6; J28 6; J29 1 5 6; J30 6; J31 15 16 17; LS1 3; LS2 3; LS3 3; LS4 3; LS5 3; LS6 3

## Via types
v1: diameter 0.8, hole 0.4, Top to Bottom, 58 vias
v2: diameter 2, hole 1, Top to Bottom, 14 vias
v3: diameter 1, hole 0.5, Top to Bottom, 19 vias

## Routing (per net, layer and track width the routed paths; a pad name or vN(x,y) marks a point on that pad's centre or on a via; arc(x,y) is an arc through that point)
+6V: length 59.6
  Top w1: 57.82,256.75 65.5,256.75 C2248.1 R2244.1 R2254.2 ; 57.82,256.75 25.7,256.75 IC2241.14 ; 57.82,256.75 IC2251.14
+12V: length 439.9
  Top w1: 78.25,93.75 78.25,106.25 82.75,110.75 v3(90.5,110.75) ; 78.25,93.75 80.75,91.25 ; 78.25,93.75 C2327.1 J11.1 63.5,93.75 J12.6 J3.6 20.75,71 20.75,51.85 J21.9 J21.9 ; J9.9 65.75,20.75 47.75,20.75 J16.9 J16.9 ; 80.75,91.25 80.75,57.25 J10.10 84.25,39 78,32.75 v3(68.5,32.75) ; 80.75,91.25 114.75,91.25 117.25,93.75 J31.10 ; v3(90.5,130.75) v3(90.5,115.75) ; R2254.1 79.5,250.59 79.5,226.5 90.5,215.5 v3(90.5,135.75)
  Bottom w1: v3(90.5,135.75) v3(90.5,130.75) ; J9.9 v3(68.5,32.75) ; v3(90.5,115.75) v3(90.5,110.75)
+12V-AUX: length 38
  Top w1: R2405.1 R2404.1 236.25,15 237.5,13.75 C2404.1 239.5,15.5 242.75,18.75 242.75,31 J30.1
+12V-AUX-EN: length 28.6
  Top w0.5: J30.5 222,32.5 220.25,30.75 220.25,22.76 R2402.2
+12V-R: length 325.5
  Top w1: C2322.1 125,241.75 123.5,243.25 D2321.1 ; C2322.1 131,227 127.25,223.25 127.25,169.25 J31.13 ; C2322.1 131,246 J6.10 ; v3(210.75,52.25) 197,66 197,116 185,128 185,135.75 173,147.75 v3(137.75,147.75) ; v3(210.75,44.25) 210.75,22 C2401.1 217.75,9.56 T2402.3
  Bottom w1: J31.13 v3(137.75,147.75) v3(140.25,147.75) ; v3(210.75,52.25) v3(210.75,44.25)
  vias: v3(139,147.75)
+15V: length 40.7
  Top w1: J31.3 117.75,27.25 104.25,27.25 97,20 J17.3 J17.3
+15V-AM: length 44.1
  Top w1: J17.4 J17.4 94.5,21.25 109.5,36.25 J31.4
+15V-FM: length 51.3
  Top w1: J17.5 J17.5 92,22.5 108.25,38.75 119.25,38.75 J31.5
+22V: length 184.6
  Top w1: R2171.2 168.29,26.21 IC2161.14 173.5,30.03 173.5,61.25 ; IC2221.14 173.46,96.21 173.5,96.25 ; 173.5,61.25 173.5,82.5 ; 173.5,61.25 173.46,61.21 IC2176.14 ; 173.5,82.5 167,82.5 R2222.1 ; 173.5,82.5 173.5,96.25 ; 178.5,126.25 178.58,126.33 R2227.2 ; 178.5,126.25 C2226.1 ; 178.5,126.25 179.59,125.16 D2226.1 ; 173.5,96.25 C2226.1 ; J5.1 147.5,127.5 166,127.5 167.25,126.25 C2226.1
+42V-1: length 256.2
  Top w2: 132.75,58.5 132.75,38.5 J4.7 144.75,26.5 J44.1 ; 132.75,58.5 v2(132.75,61) ; 132.75,58.5 v2(132.75,66) ; 181.54,210.25 181.54,164.29 C2302.1 170.25,153 136.25,153 132.75,149.5 v2(132.75,102.25) v2(132.75,99.75) ; 181.54,210.25 R2303.1 ; 181.54,210.25 D2304.4
  Bottom w2: v2(132.75,61) v2(132.75,104.75)
  vias: v2(132.75,63.5)
+42V-2: length 151.7
  Top w2: D2314.4 216.54,210.25 ; 216.54,210.25 216.54,164.29 C2312.1 ; 216.54,210.25 R2313.1 ; J2.7 144.75,178.5 J38.1
  Bottom w2: C2312.1 187.25,178.5 J38.1
+45V: length 222.6
  Top w1: R2227.1 165.92,132.5 156.84,132.5 R2156.1 149.84,139.5 v3(141.75,139.5) ; R2263.1 R2298.1 112.25,113.25 J31.12 ; v3(123.25,139.5) 99.25,139.5 93,133.25 R2236.1
  Bottom w1: v3(144.25,139.5) v3(120.75,139.5)
  vias: v3(122,139.5) v3(143,139.5)
+45V-I: length 33.5
  Top w1: J31.2 120.25,24.75 105.5,24.75 99.5,18.75 J17.2 J17.2
-8.2V: length 80.9
  Top w1: IC2241.7 15.2,236.8 15.5,236.5 15.5,235.5 ; 50.25,235.5 60.75,235.5 R2259.1 C2307.2 D2306.2 D2307.2 ; 50.25,235.5 50.2,235.55 IC2251.7 ; 50.25,235.5 15.5,235.5 ; 15.5,235.5 R2249.1
-42V-1: length 228.6
  Top w2: J4.4 147.75,38.5 J46.1 ; D2304.1 156.54,210.25 ; 156.54,210.25 R2303.2 ; 156.54,210.25 156.54,199.21 C2301.2 164,172 148,156 134.75,156 129.75,151 v2(129.75,102.25) v2(129.75,99.75)
  Bottom w2: v2(129.75,104.75) 129.75,53 134.25,48.5 J4.4
-42V-2: length 107.1
  Top w2: J39.1 147.75,190.5 J2.4 ; C2311.2 191.54,199.21 191.54,210.25 ; D2314.1 191.54,210.25 ; 191.54,210.25 R2313.2
  Bottom w2: J39.1 192.25,185 C2311.2
AM: length 80.3
  Top w0.5: IC2176.7 175,69.06 175,63.5 IC2176.3 179.75,58.75 179.75,51.75 178,50 v1(178,44.25)
  Bottom w0.5: 177.21,61.21 IC2176.3 182.5,61.21 ; ST16.4 ST16.4 175,22.5 175,38.75 178,41.75 v1(178,44.25) ; IC2176.7 182.5,71.37
AUX-L: length 42.7
  Top w0.5: v1(194.5,27) 185.84,27 182.5,23.67
  Bottom w0.5: C2192.2 215.25,25 213.25,27 v1(194.5,27) ; IC2161.2 182.5,23.67
AUX-R: length 45.3
  Top w0.5: v1(195.5,28) 195.5,30.75 193.75,32.5 186.25,32.5 184.93,33.82 RS2151.4
  Bottom w0.5: v1(195.5,28) 213.25,28 215.25,30 C2191.2 ; IC2161.6 RS2151.4
BAND1-L: length 56.5
  Top w0.5: RS2158.6 v1(187.25,63.75)
  Bottom w0.5: 187.25,63.75 v1(187.25,63.75) 189,62 213.25,62 215.75,64.5 215.75,78 C2197.2 ; IC2176.4 RS2158.6
BAND1-R: length 66.3
  Bottom w0.5: IC2176.8 RS2158.2 188.25,68.16 188.25,64.25 189.5,63 212.75,63 214.75,65 214.75,82 C2196.2
BAND2-L: length 41
  Bottom w0.5: C2203.2 188.5,60 187.16,58.66 RS2158.8 IC2176.2
BAND2-R: length 46.4
  Bottom w0.5: C2204.2 213.75,61 188.5,61 186.25,63.25 186.25,65.07 RS2158.4 IC2176.6
D-L: length 18.7
  Bottom w0.5: R2357.2 C2357.1 J6.7
D-R: length 28.7
  Bottom w0.5: R2387.2 C2387.1 J6.8
FF1-NQ1: length 62.4
  Bottom w0.5: J3.8 26.75,62 45.5,62 46.25,61.25 81.75,61.25 J10.8
FF1-NQ2: length 188.9
  Top w0.5: D2248.1 10.5,205 4.75,199.25 4.75,42.75 8,39.5 J3.13
FF1-NQ3: length 30.3
  Top w0.5: J3.2 32.25,102.5 J8.10
FF1-Q2: length 120.6
  Top w0.5: J3.1 5.75,118 5.75,198.68 D2258.1
FF1-Q3: length 33.2
  Top w0.5: v1(27.25,95.5) 27.25,92.5 J3.3 ; v1(27.25,99.5) J8.11
  Bottom w0.5: v1(27.25,99.5) v1(27.25,95.5)
FF1-Q4: length 199.6
  Top w0.25: 24.25,79.75 23.75,79.75
  Top w0.5: v1(47,82) 41.75,82 39.25,79.5 J3.5 ; J5.8 135,99.5 135,91 127.25,83.25 119.5,83.25 116,79.75 116,68.5 78.75,31.25 59.25,31.25 56.75,33.75 v1(56.75,72.25)
  Bottom w0.5: v1(47,82) v1(56.75,72.25)
FF2-NQ1: length 57.7
  Top w0.5: v1(40.75,35) 40.75,61 J12.8
  Bottom w0.5: R2184.1 17.5,35 v1(40.75,35)
FF2-NQ2: length 37.1
  Bottom w0.5: J12.13 41,36.25 13.75,36.25 R2183.1
FF2-Q3: length 197.2
  Top w0.5: v1(55.75,34.75) 55.75,78 v1(53.75,80) ; v1(54.25,33.25) 58.25,29.25 79.75,29.25 118,67.5 118,78.75 120.5,81.25 140.59,81.25 R2221.2
  Bottom w0.5: J12.3 v1(53.75,80) ; v1(55.75,34.75) v1(54.25,33.25)
FF2-Q4: length 166.5
  Top w0.5: J5.10 127.75,82.25 120,82.25 117,79.25 117,68 79.25,30.25 58.75,30.25 54.75,34.25 54.75,69 v1(49.25,74.5)
  Bottom w0.5: J12.5 v1(49.25,74.5)
FM-L: length 14.7
  Bottom w0.5: IC2161.1 RS2151.9 182.5,17.75 185.25,15 C2157.1
FM-R: length 25.9
  Bottom w0.5: IC2161.5 RS2151.5 185.28,31.28 186.5,32.5 188.5,32.5 190,31 190,22.5 C2156.1
IC2161-NC: length 28
  Top w0.5: IC2161.7 175,34.06 175,28.5 IC2161.3
  Bottom w0.5: IC2161.7 182.5,36.37 ; IC2161.3 186.29,26.21 C2158.1
IC2161-O1: length 11.8
  Bottom w0.5: C2163.2 176.25,51.75 177.3,52.8 IC2176.1 RS2158.9
IC2161-O2: length 24.2
  Bottom w0.5: C2164.2 172,51.25 172,58.75 173.5,60.25 173.5,62.49 IC2176.5 RS2158.5
IMPULS: length 17.4
  Bottom w0.5: J16.8 J16.8 42,17 J9.5
IN-L: length 29.1
  Top w0.5: J5.4 152.25,107.75 152.25,102.09 R2228.2
IN-R: length 32.2
  Top w0.5: J5.6 152.5,97.5 154.75,97.5 156.5,95.75 156.5,92.16 R2229.2
L-LEVEL: length 62.7
  Bottom w0.5: SW1.13 SW1.12 21.5,191.25 26,191.25 45,210.25 J1.7
LOUDNESS-SW1: length 53.1
  Top w0.5: IC2251.6 45.77,236.75 19.62,236.75 IC2241.6
  Bottom w0.5: IC2251.5 IC2251.6 ; R2248.1 10.5,236.47 IC2241.6 IC2241.5
LOUDNESS-SW2: length 61.4
  Top w0.5: IC2251.13 53.91,255.25 26.73,255.25 IC2241.13
  Bottom w0.5: IC2251.13 IC2251.12 54,244.97 54,237.25 R2258.1 ; IC2241.13 IC2241.12
LS-OUT-L: length 110.9
  Top w2: J33.1 146,181.75 137.75,190 J2.5 132.75,200.5 132.75,220.5 136.25,224 162,224 167.75,229.75 167.75,237.5 R2357.1 J6.5
LS-OUT-R: length 298.8
  Top w2: J4.5 137.75,38 146,29.75 J43.1 ; R2387.1 164.5,230.5 161,227 134.75,227 129.75,222 129.75,155.5 126.75,152.5 v2(126.75,99.75)
  Bottom w2: J4.5 134,43.5 126.75,50.75 v2(126.75,104.75) ; J6.2 176,258 163.25,258 161.25,256 161.25,253 167.75,246.5 167.75,239 R2387.1
  vias: v2(126.75,102.25)
LS-ST-1: length 17.1
  Top w2: LS4.2 C2393.2 231.5,192.5 230.25,193.75 230.25,197.25 228.75,198.75 J24.1
LS-ST-2: length 75.6
  Top w2: LS6.1 C2394.1 221.25,170 221.25,198.75 J24.2 231,203.75 233.75,201 C2393.1 LS4.1
LS-ST-3: length 14.1
  Top w2: LS3.2 C2363.2 230,212.5 J24.3
LS-ST-4: length 62.6
  Top w2: C2364.1 LS5.1 ; J24.4 230,217.5 C2363.1 LS3.1
  Bottom w2: J24.4 221.25,208.75 221.25,190 C2364.1
LS-ST-8: length 56.4
  Top w2: J24.8 221.75,233.75 221,234.5 219.09,234.5 R2396.1
  Bottom w2: R2396.1 209,244.59 209,250 201,258 188,258 J6.1
LS-ST-9: length 69.4
  Top w2: J24.9 219.75,238.75 218.25,240.25 214.66,240.25 R2366.1
  Bottom w2: J6.4 173,251 203.5,251 206,248.5 206,242.59 R2366.1
LS-ST-10: length 45.2
  Top w2: LS2.1 C2392.1 233.75,241.25 231.25,243.75 J24.10
  Bottom w2: J24.10 222.75,240.25 222.75,222.25 J24.5
LS-ST-11: length 51
  Top w2: LS1.1 C2362.1 229.5,257.5 226.25,254.25 J24.11 ; v2(219.75,231.25) v2(219.75,228.75) J24.7
  Bottom w2: v2(219.75,228.75) 219.75,242.25 J24.11
LVI-L-OUT: length 239.6
  Top w0.5: v1(75.75,145.75) 86.5,156.5 86.5,214.5 73.75,227.25 ; v1(72.75,145.75) 44.25,145.75 J7.8 ; 73.75,227.25 51.75,227.25 J22.1 ; 73.75,227.25 77.5,231 77.5,257.25 73.5,261.25 v1(40.5,261.25) ; R2237.2 v1(38,253.67)
  Bottom w0.5: v1(72.75,145.75) v1(75.75,145.75) ; J22.1 J22.1 ; v1(38,253.67) 38,258.75 v1(40.5,261.25)
LVI-R-OUT: length 190.1
  Top w0.5: R2238.2 8,251.17 8,232.25 13,227.25 43.12,227.25 J22.2 48.38,226.25 73.25,226.25 85.5,214 85.5,157 J7.2
  Bottom w0.5: J22.2 J22.2
LVII-L-IN: length 22.4
  Bottom w0.5: J22.6 J22.6 44.88,219.75 45.75,219.75 J1.6
LVII-L-OUT: length 19.8
  Bottom w0.5: C2262.2 40,207.7 J1.8
LVII-R-IN: length 27.4
  Bottom w0.5: J22.4 J22.4 49.88,219.75 55.75,219.75 J1.4
LVII-R-OUT: length 18.8
  Bottom w0.5: J1.2 70,205.5 C2261.2
MONITOR-L: length 35.7
  Bottom w0.5: IC2221.7 179,108.06 179,114.75 176.25,117.5 169.5,117.5 162.75,124.25 162.75,128.25 R2212.2
MONITOR-OUT-L: length 95.7
  Top w0.5: IC2221.5 181.26,105.25 v1(186,105.25)
  Bottom w0.5: R2217.2 162.5,103 162.5,89.75 164.25,88 171.25,88 174.25,85 C2186.2 176.25,88.25 175,89.5 175,98.99 IC2221.5 ; v1(186,105.25) 208,105.25 C2206.2
MONITOR-OUT-R: length 107
  Top w0.5: v1(187,104.25) 181.75,104.25 179,101.5 179,92.82 IC2221.1
  Bottom w0.5: R2216.2 161.5,107 161.5,89.25 163.75,87 168.75,87 C2187.2 172.75,83 177.5,83 181.5,87 181.5,89.5 179.88,91.12 IC2221.1 ; v1(187,104.25) 212,104.25 C2207.2
MONITOR-R: length 40.3
  Bottom w0.5: R2211.2 164.5,124 170,118.5 176.75,118.5 180,115.25 180,98.91 IC2221.3
MUTING: length 60.9
  Bottom w0.5: J10.9 76.75,51.25 61.75,51.25 43.5,33 J9.4
OUT-L: length 46.5
  Top w0.5: 227.88,95 227.88,76.71 R2201.2 ; 227.88,95 R2193.2 ; 227.88,95 227.88,113.29 R2206.2
  Bottom w0.5: C2206.1 R2206.2
OUT-R: length 46.5
  Top w0.5: R2207.2 224.47,108.31 224.47,90 ; R2194.2 224.47,90 ; 224.47,90 224.47,71.69 R2202.2
  Bottom w0.5: C2207.1 R2207.2
PHONO-L: length 10.7
  Bottom w0.5: C2151.1 186.25,28.75 RS2151.6 IC2161.4
PHONO-R: length 13.3
  Bottom w0.5: IC2161.8 RS2151.2 186.09,38.91 187.45,37.55 C2153.1
R-LEVEL: length 67.3
  Bottom w0.5: SW1.3 SW1.5 SW1.2 44,191.25 58.15,191.25 61.25,194.35 61.25,203.95 65,207.7 J1.3
SET: length 74.9
  Top w0.5: J3.9 33.5,50.25 J9.2 33.5,15.88 J47.1
  Bottom w0.5: J3.9 J12.9
SW-AFC: length 36.5
  Bottom w0.5: J12.12 41.75,47 12.15,47 12,46.85 J21.7 J21.7
SW-AM: length 150.6
  Top w0.5: R2178.2 152.25,62.09 152.25,68.25 144,76.5 131.5,76.5 J9.11 72.25,17.25 v1(59.5,17.25)
  Bottom w0.5: D2183.1 78.5,31.25 J9.11 ; v1(59.5,17.25) J16.1 J16.1
SW-AUX: length 224.3
  Top w0.5: v1(55.75,14.25) 75.25,14.25 133.5,72.5 142,72.5 148.25,66.25 148.25,48 151.25,45 151.25,23.09 R2161.2 156.84,17.5 v1(187.5,17.5) ; J16.4 v1(52,14.25)
  Bottom w0.5: v1(55.75,14.25) v1(52,14.25) ; J16.4 J16.4 ; R2403.2 195,17.5 v1(187.5,17.5)
SW-BAND1: length 155.3
  Top w0.5: v1(49.5,18.25) 70.75,18.25 78.75,26.25 v1(79.75,26.25) ; D2166.1 R2177.2 151.25,58.09 151.25,67.75 143.5,75.5 132,75.5 v1(82.75,26.25)
  Bottom w0.5: J16.5 J16.5 v1(49.5,18.25) ; v1(82.75,26.25) v1(79.75,26.25)
SW-BAND2: length 182.2
  Top w0.5: J16.6 47,14.25 49,16.25 74.25,16.25 132.5,74.5 143,74.5 150.25,67.25 150.25,49.09 D2167.1 156.25,46.91 156.25,63.09 R2176.2
  Bottom w0.5: J16.6 J16.6
SW-FM: length 42.9
  Top w0.5: v1(57,19.25) 69.25,19.25 J9.10
  Bottom w0.5: J9.10 73.5,31.25 D2184.1 ; J16.2 J16.2 v1(57,19.25)
SW-LOUDNESS: length 17.3
  Bottom w0.5: J3.12 10.15,44.5 10,44.35 J21.8 J21.8
SW-MONITOR: length 49.9
  Bottom w0.5: J12.4 36.75,77 21.75,77 17.75,73 17.75,64.25 15.5,62 12.5,62 12.35,61.85 J21.1 J21.1
SW-MONO: length 17.3
  Bottom w0.5: J3.11 10.15,49.5 10,49.35 J21.6 J21.6
SW-MUTING: length 36.5
  Bottom w0.5: J21.5 J21.5 12,51.85 12.15,52 41.75,52 J12.11
SW-NOISE: length 40.6
  Top w0.5: v1(38.25,63.5) v1(31.75,57)
  Bottom w0.5: v1(31.75,57) 12.4,57 12.25,56.85 J21.3 J21.3 ; J12.7 v1(38.25,63.5)
